# Altium PCB PCB2.PcbDoc (part 15 of 16)
Units mil, origin at the board's own origin, x right, y up, seen from the top; angles counter-clockwise.
Board outline 9200.79 x 4350.6 mil, 4 copper layers (Top Layer, Layer 1, Layer 2, Bottom Layer), stack 23.756 mil thick; 1249 components, 1355 nets, 4549 pads, 1316 vias.
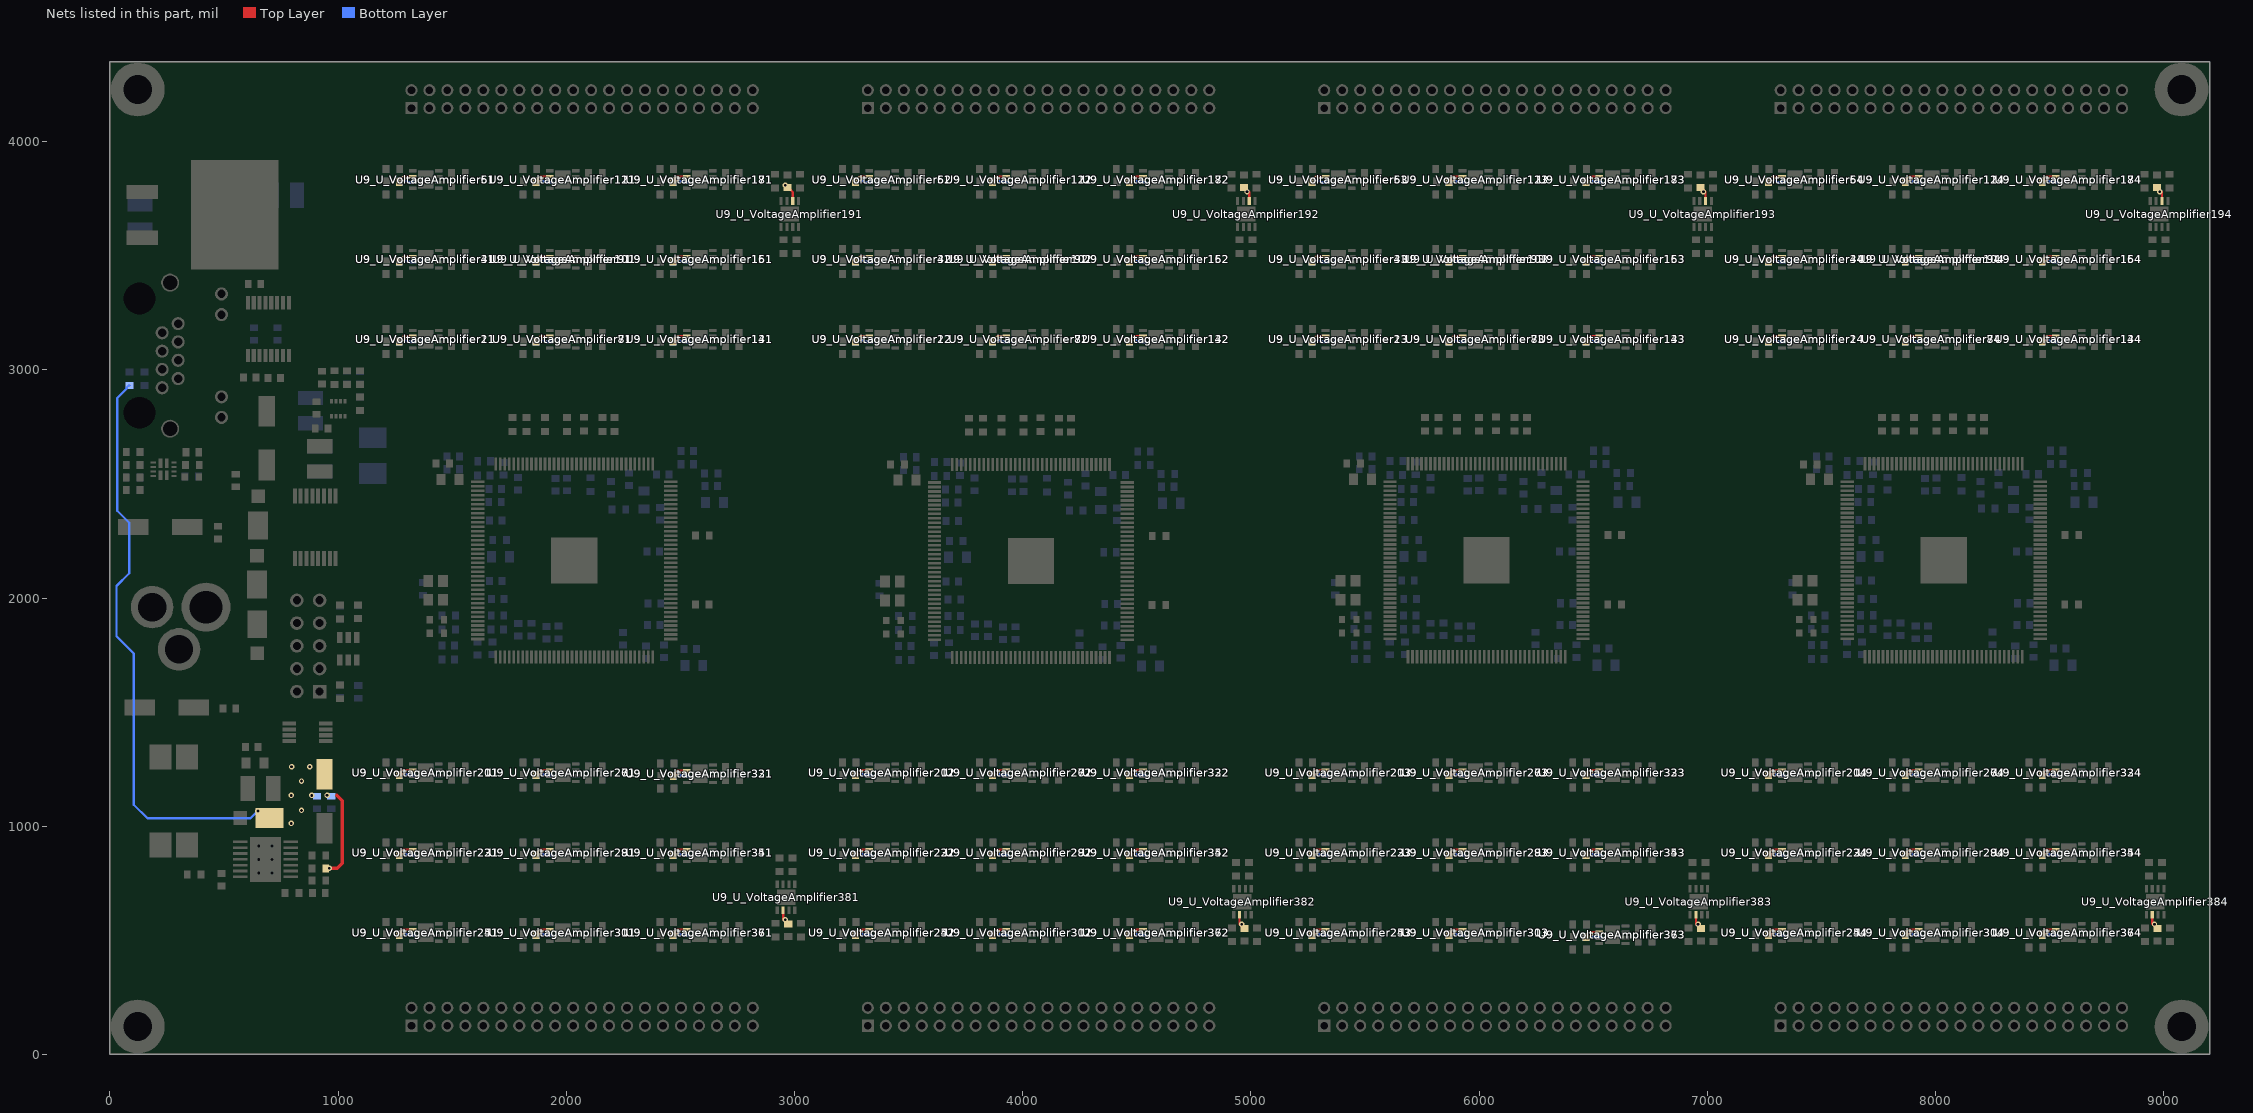
[diagram p17: the nets of this part, all layers, seen from the top]

## Via types
v1: diameter 24, hole 12, Top Layer to Bottom Layer, 1316 vias

## Nets (pads, with @x,y where several pads share a name; then routed paths per layer and width w, separated by ;. In a path a pad name is that pad's centre, name@x,y a point inside that pad or via, vN(x,y) a via of type N, cw(c..) or ccw(c..) an arc to the next point about the centre after c; other vN are vias at no path point) (continued)
VCC_OUT: C31.2 C32.2 C33.1 C34_U_VoltageAmplifier11.1 C34_U_VoltageAmplifier12.1 C34_U_VoltageAmplifier13.1 C34_U_VoltageAmplifier14.1 C34_U_VoltageAmplifier21.1 C34_U_VoltageAmplifier22.1 C34_U_VoltageAmplifier23.1 C34_U_VoltageAmplifier24.1 C34_U_VoltageAmplifier31.1 C34_U_VoltageAmplifier32.1 C34_U_VoltageAmplifier33.1 C34_U_VoltageAmplifier34.1 C34_U_VoltageAmplifier41.1 C34_U_VoltageAmplifier42.1 C34_U_VoltageAmplifier43.1 C34_U_VoltageAmplifier44.1 C34_U_VoltageAmplifier51.1 C34_U_VoltageAmplifier52.1 C34_U_VoltageAmplifier53.1 C34_U_VoltageAmplifier54.1 C34_U_VoltageAmplifier61.1 C34_U_VoltageAmplifier62.1 C34_U_VoltageAmplifier63.1 C34_U_VoltageAmplifier64.1 C34_U_VoltageAmplifier71.1 C34_U_VoltageAmplifier72.1 C34_U_VoltageAmplifier73.1 C34_U_VoltageAmplifier74.1 C34_U_VoltageAmplifier81.1 C34_U_VoltageAmplifier82.1 C34_U_VoltageAmplifier83.1 C34_U_VoltageAmplifier84.1 C34_U_VoltageAmplifier91.1 C34_U_VoltageAmplifier92.1 C34_U_VoltageAmplifier93.1 C34_U_VoltageAmplifier94.1 C34_U_VoltageAmplifier101.1 C34_U_VoltageAmplifier102.1 C34_U_VoltageAmplifier103.1 C34_U_VoltageAmplifier104.1 C34_U_VoltageAmplifier111.1 C34_U_VoltageAmplifier112.1 C34_U_VoltageAmplifier113.1 C34_U_VoltageAmplifier114.1 C34_U_VoltageAmplifier121.1 C34_U_VoltageAmplifier122.1 C34_U_VoltageAmplifier123.1 C34_U_VoltageAmplifier124.1 C34_U_VoltageAmplifier131.1 C34_U_VoltageAmplifier132.1 C34_U_VoltageAmplifier133.1 C34_U_VoltageAmplifier134.1 C34_U_VoltageAmplifier141.1 C34_U_VoltageAmplifier142.1 C34_U_VoltageAmplifier143.1 C34_U_VoltageAmplifier144.1 C34_U_VoltageAmplifier151.1 C34_U_VoltageAmplifier152.1 C34_U_VoltageAmplifier153.1 C34_U_VoltageAmplifier154.1 C34_U_VoltageAmplifier161.1 C34_U_VoltageAmplifier162.1 C34_U_VoltageAmplifier163.1 C34_U_VoltageAmplifier164.1 C34_U_VoltageAmplifier171.1 C34_U_VoltageAmplifier172.1 C34_U_VoltageAmplifier173.1 C34_U_VoltageAmplifier174.1 C34_U_VoltageAmplifier181.1 C34_U_VoltageAmplifier182.1 C34_U_VoltageAmplifier183.1 C34_U_VoltageAmplifier184.1 C34_U_VoltageAmplifier191.1 C34_U_VoltageAmplifier192.1 C34_U_VoltageAmplifier193.1 C34_U_VoltageAmplifier194.1 C34_U_VoltageAmplifier201.1 C34_U_VoltageAmplifier202.1 C34_U_VoltageAmplifier203.1 C34_U_VoltageAmplifier204.1 C34_U_VoltageAmplifier211.1 C34_U_VoltageAmplifier212.1 C34_U_VoltageAmplifier213.1 C34_U_VoltageAmplifier214.1 C34_U_VoltageAmplifier221.1 C34_U_VoltageAmplifier222.1 C34_U_VoltageAmplifier223.1 C34_U_VoltageAmplifier224.1 C34_U_VoltageAmplifier231.1 C34_U_VoltageAmplifier232.1 C34_U_VoltageAmplifier233.1 C34_U_VoltageAmplifier234.1 C34_U_VoltageAmplifier241.1 C34_U_VoltageAmplifier242.1 C34_U_VoltageAmplifier243.1 C34_U_VoltageAmplifier244.1 C34_U_VoltageAmplifier251.1 C34_U_VoltageAmplifier252.1 C34_U_VoltageAmplifier253.1 C34_U_VoltageAmplifier254.1 C34_U_VoltageAmplifier261.1 C34_U_VoltageAmplifier262.1 C34_U_VoltageAmplifier263.1 C34_U_VoltageAmplifier264.1 C34_U_VoltageAmplifier271.1 C34_U_VoltageAmplifier272.1 C34_U_VoltageAmplifier273.1 C34_U_VoltageAmplifier274.1 C34_U_VoltageAmplifier281.1 C34_U_VoltageAmplifier282.1 C34_U_VoltageAmplifier283.1 C34_U_VoltageAmplifier284.1 C34_U_VoltageAmplifier291.1 C34_U_VoltageAmplifier292.1 C34_U_VoltageAmplifier293.1 C34_U_VoltageAmplifier294.1 C34_U_VoltageAmplifier301.1 C34_U_VoltageAmplifier302.1 C34_U_VoltageAmplifier303.1 C34_U_VoltageAmplifier304.1 C34_U_VoltageAmplifier311.1 C34_U_VoltageAmplifier312.1 C34_U_VoltageAmplifier313.1 C34_U_VoltageAmplifier314.1 C34_U_VoltageAmplifier321.1 C34_U_VoltageAmplifier322.1 C34_U_VoltageAmplifier323.1 C34_U_VoltageAmplifier324.1 C34_U_VoltageAmplifier331.1 C34_U_VoltageAmplifier332.1 C34_U_VoltageAmplifier333.1 C34_U_VoltageAmplifier334.1 C34_U_VoltageAmplifier341.1 C34_U_VoltageAmplifier342.1 C34_U_VoltageAmplifier343.1 C34_U_VoltageAmplifier344.1 C34_U_VoltageAmplifier351.1 C34_U_VoltageAmplifier352.1 C34_U_VoltageAmplifier353.1 C34_U_VoltageAmplifier354.1 C34_U_VoltageAmplifier361.1 C34_U_VoltageAmplifier362.1 C34_U_VoltageAmplifier363.1 C34_U_VoltageAmplifier364.1 C34_U_VoltageAmplifier371.1 C34_U_VoltageAmplifier372.1 C34_U_VoltageAmplifier373.1 C34_U_VoltageAmplifier374.1 C34_U_VoltageAmplifier381.1 C34_U_VoltageAmplifier382.1 C34_U_VoltageAmplifier383.1 C34_U_VoltageAmplifier384.1 D7.1 R45.1 R46.1 U9_U_VoltageAmplifier11.6 U9_U_VoltageAmplifier12.6 U9_U_VoltageAmplifier13.6 U9_U_VoltageAmplifier14.6 U9_U_VoltageAmplifier21.6 U9_U_VoltageAmplifier22.6 U9_U_VoltageAmplifier23.6 U9_U_VoltageAmplifier24.6 U9_U_VoltageAmplifier31.6 U9_U_VoltageAmplifier32.6 U9_U_VoltageAmplifier33.6 U9_U_VoltageAmplifier34.6 U9_U_VoltageAmplifier41.6 U9_U_VoltageAmplifier42.6 U9_U_VoltageAmplifier43.6 U9_U_VoltageAmplifier44.6 U9_U_VoltageAmplifier51.6 U9_U_VoltageAmplifier52.6 U9_U_VoltageAmplifier53.6 U9_U_VoltageAmplifier54.6 U9_U_VoltageAmplifier61.6 U9_U_VoltageAmplifier62.6 U9_U_VoltageAmplifier63.6 U9_U_VoltageAmplifier64.6 U9_U_VoltageAmplifier71.6 U9_U_VoltageAmplifier72.6 U9_U_VoltageAmplifier73.6 U9_U_VoltageAmplifier74.6 U9_U_VoltageAmplifier81.6 U9_U_VoltageAmplifier82.6 U9_U_VoltageAmplifier83.6 U9_U_VoltageAmplifier84.6 U9_U_VoltageAmplifier91.6 U9_U_VoltageAmplifier92.6 U9_U_VoltageAmplifier93.6 U9_U_VoltageAmplifier94.6 U9_U_VoltageAmplifier101.6 U9_U_VoltageAmplifier102.6 U9_U_VoltageAmplifier103.6 U9_U_VoltageAmplifier104.6 U9_U_VoltageAmplifier111.6 U9_U_VoltageAmplifier112.6 U9_U_VoltageAmplifier113.6 U9_U_VoltageAmplifier114.6 U9_U_VoltageAmplifier121.6 U9_U_VoltageAmplifier122.6 U9_U_VoltageAmplifier123.6 U9_U_VoltageAmplifier124.6 U9_U_VoltageAmplifier131.6 U9_U_VoltageAmplifier132.6 U9_U_VoltageAmplifier133.6 U9_U_VoltageAmplifier134.6 U9_U_VoltageAmplifier141.6 U9_U_VoltageAmplifier142.6 U9_U_VoltageAmplifier143.6 U9_U_VoltageAmplifier144.6 U9_U_VoltageAmplifier151.6 U9_U_VoltageAmplifier152.6 U9_U_VoltageAmplifier153.6 U9_U_VoltageAmplifier154.6 U9_U_VoltageAmplifier161.6 U9_U_VoltageAmplifier162.6 U9_U_VoltageAmplifier163.6 U9_U_VoltageAmplifier164.6 U9_U_VoltageAmplifier171.6 U9_U_VoltageAmplifier172.6 U9_U_VoltageAmplifier173.6 U9_U_VoltageAmplifier174.6 U9_U_VoltageAmplifier181.6 U9_U_VoltageAmplifier182.6 U9_U_VoltageAmplifier183.6 U9_U_VoltageAmplifier184.6 U9_U_VoltageAmplifier191.6 U9_U_VoltageAmplifier192.6 U9_U_VoltageAmplifier193.6 U9_U_VoltageAmplifier194.6 U9_U_VoltageAmplifier201.6 U9_U_VoltageAmplifier202.6 U9_U_VoltageAmplifier203.6 U9_U_VoltageAmplifier204.6 U9_U_VoltageAmplifier211.6 U9_U_VoltageAmplifier212.6 U9_U_VoltageAmplifier213.6 U9_U_VoltageAmplifier214.6 U9_U_VoltageAmplifier221.6 U9_U_VoltageAmplifier222.6 U9_U_VoltageAmplifier223.6 U9_U_VoltageAmplifier224.6 U9_U_VoltageAmplifier231.6 U9_U_VoltageAmplifier232.6 U9_U_VoltageAmplifier233.6 U9_U_VoltageAmplifier234.6 U9_U_VoltageAmplifier241.6 U9_U_VoltageAmplifier242.6 U9_U_VoltageAmplifier243.6 U9_U_VoltageAmplifier244.6 U9_U_VoltageAmplifier251.6 U9_U_VoltageAmplifier252.6 U9_U_VoltageAmplifier253.6 U9_U_VoltageAmplifier254.6 U9_U_VoltageAmplifier261.6 U9_U_VoltageAmplifier262.6 U9_U_VoltageAmplifier263.6 U9_U_VoltageAmplifier264.6 U9_U_VoltageAmplifier271.6 U9_U_VoltageAmplifier272.6 U9_U_VoltageAmplifier273.6 U9_U_VoltageAmplifier274.6 U9_U_VoltageAmplifier281.6 U9_U_VoltageAmplifier282.6 U9_U_VoltageAmplifier283.6 U9_U_VoltageAmplifier284.6 U9_U_VoltageAmplifier291.6 U9_U_VoltageAmplifier292.6 U9_U_VoltageAmplifier293.6 U9_U_VoltageAmplifier294.6 U9_U_VoltageAmplifier301.6 U9_U_VoltageAmplifier302.6 U9_U_VoltageAmplifier303.6 U9_U_VoltageAmplifier304.6 U9_U_VoltageAmplifier311.6 U9_U_VoltageAmplifier312.6 U9_U_VoltageAmplifier313.6 U9_U_VoltageAmplifier314.6 U9_U_VoltageAmplifier321.6 U9_U_VoltageAmplifier322.6 U9_U_VoltageAmplifier323.6 U9_U_VoltageAmplifier324.6 U9_U_VoltageAmplifier331.6 U9_U_VoltageAmplifier332.6 U9_U_VoltageAmplifier333.6 U9_U_VoltageAmplifier334.6 U9_U_VoltageAmplifier341.6 U9_U_VoltageAmplifier342.6 U9_U_VoltageAmplifier343.6 U9_U_VoltageAmplifier344.6 U9_U_VoltageAmplifier351.6 U9_U_VoltageAmplifier352.6 U9_U_VoltageAmplifier353.6 U9_U_VoltageAmplifier354.6 U9_U_VoltageAmplifier361.6 U9_U_VoltageAmplifier362.6 U9_U_VoltageAmplifier363.6 U9_U_VoltageAmplifier364.6 U9_U_VoltageAmplifier371.6 U9_U_VoltageAmplifier372.6 U9_U_VoltageAmplifier373.6 U9_U_VoltageAmplifier374.6 U9_U_VoltageAmplifier381.6 U9_U_VoltageAmplifier382.6 U9_U_VoltageAmplifier383.6 U9_U_VoltageAmplifier384.6 | length 19308.1
  Top Layer w10: C34_U_VoltageAmplifier11.1@1267.65,3124.18 1267.65,3126.9 1287.52,3146.77 U9_U_VoltageAmplifier11.6@1327.09,3146.77 ; U9_U_VoltageAmplifier241.6@1327.09,546.77 v1@1287.52,546.77 ; U9_U_VoltageAmplifier221.6@1327.09,896.77 v1@1287.52,896.77 ; U9_U_VoltageAmplifier201.6@1327.09,1246.77 v1@1287.52,1246.77 ; U9_U_VoltageAmplifier31.6@1327.09,3496.77 v1@1287.52,3496.77 ; U9_U_VoltageAmplifier51.6@1327.09,3846.77 v1@1287.52,3846.77 ; U9_U_VoltageAmplifier301.6@1927.09,546.77 v1@1887.52,546.77 ; U9_U_VoltageAmplifier281.6@1927.09,896.77 v1@1887.52,896.77 ; U9_U_VoltageAmplifier261.6@1927.09,1246.77 v1@1887.52,1246.77 ; U9_U_VoltageAmplifier71.6@1927.09,3146.77 v1@1887.52,3146.77 ; U9_U_VoltageAmplifier91.6@1927.09,3496.77 v1@1887.52,3496.77 ; U9_U_VoltageAmplifier111.6@1927.09,3846.77 v1@1887.52,3846.77 ; U9_U_VoltageAmplifier361.6@2527.09,546.77 v1@2487.52,546.77 ; U9_U_VoltageAmplifier341.6@2527.09,896.77 v1@2487.52,896.77 ; U9_U_VoltageAmplifier131.6@2527.09,3146.77 v1@2487.52,3146.77 ; U9_U_VoltageAmplifier151.6@2527.09,3496.77 v1@2487.52,3496.77 ; U9_U_VoltageAmplifier171.6@2527.09,3846.77 v1@2487.52,3846.77 ; U9_U_VoltageAmplifier321.6@2528.26,1243.18 v1@2488.69,1243.18 ; U9_U_VoltageAmplifier381.6@2950.08,631.42 v1@2950.08,591.85 ; U9_U_VoltageAmplifier191.6@2992.44,3739.76 2992.44,3779.33 ; U9_U_VoltageAmplifier242.6@3327.09,546.77 v1@3287.52,546.77 ; U9_U_VoltageAmplifier222.6@3327.09,896.77 v1@3287.52,896.77 ; U9_U_VoltageAmplifier202.6@3327.09,1246.77 v1@3287.52,1246.77 ; U9_U_VoltageAmplifier12.6@3327.09,3146.77 v1@3287.52,3146.77 ; U9_U_VoltageAmplifier32.6@3327.09,3496.77 v1@3287.52,3496.77 ; U9_U_VoltageAmplifier52.6@3327.09,3846.77 v1@3287.52,3846.77 ; U9_U_VoltageAmplifier302.6@3927.09,546.77 v1@3887.52,546.77 ; U9_U_VoltageAmplifier282.6@3927.09,896.77 v1@3887.52,896.77 ; U9_U_VoltageAmplifier262.6@3927.09,1246.77 v1@3887.52,1246.77 ; U9_U_VoltageAmplifier72.6@3927.09,3146.77 v1@3887.52,3146.77 ; U9_U_VoltageAmplifier92.6@3927.09,3496.77 v1@3887.52,3496.77 ; U9_U_VoltageAmplifier112.6@3927.09,3846.77 v1@3887.52,3846.77 ; U9_U_VoltageAmplifier362.6@4527.09,546.77 v1@4487.52,546.77 ; U9_U_VoltageAmplifier342.6@4527.09,896.77 v1@4487.52,896.77 ; U9_U_VoltageAmplifier322.6@4527.09,1246.77 v1@4487.52,1246.77 ; U9_U_VoltageAmplifier132.6@4527.09,3146.77 v1@4487.52,3146.77 ; U9_U_VoltageAmplifier152.6@4527.09,3496.77 v1@4487.52,3496.77 ; U9_U_VoltageAmplifier172.6@4527.09,3846.77 v1@4487.52,3846.77 ; U9_U_VoltageAmplifier382.6@4950.08,611.42 v1@4950.08,571.85 ; U9_U_VoltageAmplifier192.6@4992.44,3739.76 v1@4992.44,3779.33 ; U9_U_VoltageAmplifier243.6@5327.09,546.77 v1@5287.52,546.77 ; U9_U_VoltageAmplifier223.6@5327.09,896.77 v1@5287.52,896.77 ; U9_U_VoltageAmplifier203.6@5327.09,1246.77 v1@5287.52,1246.77 ; U9_U_VoltageAmplifier13.6@5327.09,3146.77 v1@5287.52,3146.77 ; U9_U_VoltageAmplifier33.6@5327.09,3496.77 v1@5287.52,3496.77 ; U9_U_VoltageAmplifier53.6@5327.09,3846.77 v1@5287.52,3846.77 ; U9_U_VoltageAmplifier303.6@5927.09,546.77 v1@5887.52,546.77 ; U9_U_VoltageAmplifier283.6@5927.09,896.77 v1@5887.52,896.77 ; U9_U_VoltageAmplifier263.6@5927.09,1246.77 v1@5887.52,1246.77 ; U9_U_VoltageAmplifier73.6@5927.09,3146.77 v1@5887.52,3146.77 ; U9_U_VoltageAmplifier93.6@5927.09,3496.77 v1@5887.52,3496.77 ; U9_U_VoltageAmplifier113.6@5927.09,3846.77 v1@5887.52,3846.77 ; U9_U_VoltageAmplifier363.6@6527.09,536.77 v1@6487.52,536.77 ; U9_U_VoltageAmplifier343.6@6527.09,896.77 v1@6487.52,896.77 ; U9_U_VoltageAmplifier323.6@6527.09,1246.77 v1@6487.52,1246.77 ; U9_U_VoltageAmplifier133.6@6527.09,3146.77 v1@6487.52,3146.77 ; U9_U_VoltageAmplifier153.6@6527.09,3496.77 v1@6487.52,3496.77 ; U9_U_VoltageAmplifier173.6@6527.09,3846.77 v1@6487.52,3846.77 ; U9_U_VoltageAmplifier383.6@6950.08,611.42 v1@6950.08,571.85 ; U9_U_VoltageAmplifier193.6@6992.44,3739.76 v1@6992.44,3779.33 ; U9_U_VoltageAmplifier244.6@7327.09,546.77 v1@7287.52,546.77 ; U9_U_VoltageAmplifier224.6@7327.09,896.77 v1@7287.52,896.77 ; U9_U_VoltageAmplifier204.6@7327.09,1246.77 v1@7287.52,1246.77 ; U9_U_VoltageAmplifier14.6@7327.09,3146.77 v1@7287.52,3146.77 ; U9_U_VoltageAmplifier34.6@7327.09,3496.77 v1@7287.52,3496.77 ; U9_U_VoltageAmplifier54.6@7327.09,3846.77 v1@7287.52,3846.77 ; U9_U_VoltageAmplifier304.6@7927.09,546.77 v1@7887.52,546.77 ; U9_U_VoltageAmplifier284.6@7927.09,896.77 v1@7887.52,896.77 ; U9_U_VoltageAmplifier264.6@7927.09,1246.77 v1@7887.52,1246.77 ; U9_U_VoltageAmplifier74.6@7927.09,3146.77 v1@7887.52,3146.77 ; U9_U_VoltageAmplifier94.6@7927.09,3496.77 v1@7887.52,3496.77 ; U9_U_VoltageAmplifier114.6@7927.09,3846.77 v1@7887.52,3846.77 ; U9_U_VoltageAmplifier364.6@8527.09,546.77 v1@8487.52,546.77 ; U9_U_VoltageAmplifier344.6@8527.09,896.77 v1@8487.52,896.77 ; U9_U_VoltageAmplifier324.6@8527.09,1246.77 v1@8487.52,1246.77 ; U9_U_VoltageAmplifier134.6@8527.09,3146.77 v1@8487.52,3146.77 ; U9_U_VoltageAmplifier154.6@8527.09,3496.77 v1@8487.52,3496.77 ; U9_U_VoltageAmplifier174.6@8527.09,3846.77 v1@8487.52,3846.77 ; U9_U_VoltageAmplifier384.6@8950.08,611.42 v1@8950.08,571.85 ; U9_U_VoltageAmplifier194.6@8992.44,3739.76 v1@8992.44,3779.33 ; C34_U_VoltageAmplifier241.1@1267.65,524.18 C34_U_VoltageAmplifier241.1@1267.65,526.9 ; C34_U_VoltageAmplifier241.1@1267.65,524.18 C34_U_VoltageAmplifier241.1@1267.65,526.9 ; C34_U_VoltageAmplifier241.1@1267.65,524.18 C34_U_VoltageAmplifier241.1@1267.65,526.9 ; C34_U_VoltageAmplifier241.1@1267.65,526.9 v1@1287.52,546.77 ; C34_U_VoltageAmplifier241.1@1267.65,526.9 v1@1287.52,546.77 ; C34_U_VoltageAmplifier241.1@1267.65,526.9 v1@1287.52,546.77 ; C34_U_VoltageAmplifier221.1@1267.65,874.18 C34_U_VoltageAmplifier221.1@1267.65,876.9 ; C34_U_VoltageAmplifier221.1@1267.65,874.18 C34_U_VoltageAmplifier221.1@1267.65,876.9 ; C34_U_VoltageAmplifier221.1@1267.65,874.18 C34_U_VoltageAmplifier221.1@1267.65,876.9 ; C34_U_VoltageAmplifier221.1@1267.65,876.9 v1@1287.52,896.77 ; C34_U_VoltageAmplifier221.1@1267.65,876.9 v1@1287.52,896.77 ; C34_U_VoltageAmplifier221.1@1267.65,876.9 v1@1287.52,896.77 ; C34_U_VoltageAmplifier201.1@1267.65,1224.18 C34_U_VoltageAmplifier201.1@1267.65,1226.9 ; C34_U_VoltageAmplifier201.1@1267.65,1224.18 C34_U_VoltageAmplifier201.1@1267.65,1226.9 ; C34_U_VoltageAmplifier201.1@1267.65,1224.18 C34_U_VoltageAmplifier201.1@1267.65,1226.9 ; C34_U_VoltageAmplifier201.1@1267.65,1226.9 v1@1287.52,1246.77 ; C34_U_VoltageAmplifier201.1@1267.65,1226.9 v1@1287.52,1246.77 ; C34_U_VoltageAmplifier201.1@1267.65,1226.9 v1@1287.52,1246.77 ; C34_U_VoltageAmplifier31.1@1267.65,3476.9 C34_U_VoltageAmplifier31.1@1267.65,3474.18 C34_U_VoltageAmplifier31.1@1267.65,3476.9 ; C34_U_VoltageAmplifier31.1@1267.65,3476.9 v1@1287.52,3496.77 ; C34_U_VoltageAmplifier31.1@1267.65,3476.9 v1@1287.52,3496.77 ; C34_U_VoltageAmplifier51.1@1267.65,3826.9 C34_U_VoltageAmplifier51.1@1267.65,3824.18 C34_U_VoltageAmplifier51.1@1267.65,3826.9 ; C34_U_VoltageAmplifier51.1@1267.65,3826.9 v1@1287.52,3846.77 ; C34_U_VoltageAmplifier51.1@1267.65,3826.9 v1@1287.52,3846.77 ; C34_U_VoltageAmplifier301.1@1867.65,524.18 C34_U_VoltageAmplifier301.1@1867.65,526.9 ; C34_U_VoltageAmplifier301.1@1867.65,524.18 C34_U_VoltageAmplifier301.1@1867.65,526.9 ; C34_U_VoltageAmplifier301.1@1867.65,524.18 C34_U_VoltageAmplifier301.1@1867.65,526.9 ; C34_U_VoltageAmplifier301.1@1867.65,526.9 v1@1887.52,546.77 ; C34_U_VoltageAmplifier301.1@1867.65,526.9 v1@1887.52,546.77 ; C34_U_VoltageAmplifier301.1@1867.65,526.9 v1@1887.52,546.77 ; C34_U_VoltageAmplifier281.1@1867.65,874.18 C34_U_VoltageAmplifier281.1@1867.65,876.9 ; C34_U_VoltageAmplifier281.1@1867.65,874.18 C34_U_VoltageAmplifier281.1@1867.65,876.9 ; C34_U_VoltageAmplifier281.1@1867.65,874.18 C34_U_VoltageAmplifier281.1@1867.65,876.9 ; C34_U_VoltageAmplifier281.1@1867.65,876.9 v1@1887.52,896.77 ; C34_U_VoltageAmplifier281.1@1867.65,876.9 v1@1887.52,896.77 ; C34_U_VoltageAmplifier281.1@1867.65,876.9 v1@1887.52,896.77 ; C34_U_VoltageAmplifier261.1@1867.65,1224.18 C34_U_VoltageAmplifier261.1@1867.65,1226.9 ; C34_U_VoltageAmplifier261.1@1867.65,1224.18 C34_U_VoltageAmplifier261.1@1867.65,1226.9 ; C34_U_VoltageAmplifier261.1@1867.65,1224.18 C34_U_VoltageAmplifier261.1@1867.65,1226.9 ; C34_U_VoltageAmplifier261.1@1867.65,1226.9 v1@1887.52,1246.77 ; C34_U_VoltageAmplifier261.1@1867.65,1226.9 v1@1887.52,1246.77 ; C34_U_VoltageAmplifier261.1@1867.65,1226.9 v1@1887.52,1246.77 ; C34_U_VoltageAmplifier71.1@1867.65,3126.9 C34_U_VoltageAmplifier71.1@1867.65,3124.18 C34_U_VoltageAmplifier71.1@1867.65,3126.9 ; C34_U_VoltageAmplifier71.1@1867.65,3126.9 v1@1887.52,3146.77 ; C34_U_VoltageAmplifier71.1@1867.65,3126.9 v1@1887.52,3146.77 ; C34_U_VoltageAmplifier91.1@1867.65,3476.9 C34_U_VoltageAmplifier91.1@1867.65,3474.18 C34_U_VoltageAmplifier91.1@1867.65,3476.9 ; C34_U_VoltageAmplifier91.1@1867.65,3476.9 1882.01,3491.26 v1@1887.52,3496.77 ; C34_U_VoltageAmplifier91.1@1867.65,3476.9 v1@1887.52,3496.77 ; C34_U_VoltageAmplifier111.1@1867.65,3826.9 v1@1887.52,3846.77 ; C34_U_VoltageAmplifier111.1@1867.65,3826.9 v1@1887.52,3846.77 ; C34_U_VoltageAmplifier111.1@1867.65,3826.9 C34_U_VoltageAmplifier111.1@1867.65,3824.18 C34_U_VoltageAmplifier111.1@1867.65,3826.9 ; C34_U_VoltageAmplifier361.1@2467.65,524.18 C34_U_VoltageAmplifier361.1@2467.65,526.9 ; C34_U_VoltageAmplifier361.1@2467.65,524.18 C34_U_VoltageAmplifier361.1@2467.65,526.9 ; C34_U_VoltageAmplifier361.1@2467.65,524.18 C34_U_VoltageAmplifier361.1@2467.65,526.9 ; C34_U_VoltageAmplifier361.1@2467.65,526.9 v1@2487.52,546.77 ; C34_U_VoltageAmplifier361.1@2467.65,526.9 v1@2487.52,546.77 ; C34_U_VoltageAmplifier361.1@2467.65,526.9 v1@2487.52,546.77 ; C34_U_VoltageAmplifier341.1@2467.65,874.18 C34_U_VoltageAmplifier341.1@2467.65,876.9 ; C34_U_VoltageAmplifier341.1@2467.65,874.18 C34_U_VoltageAmplifier341.1@2467.65,876.9 ; C34_U_VoltageAmplifier341.1@2467.65,874.18 C34_U_VoltageAmplifier341.1@2467.65,876.9 ; C34_U_VoltageAmplifier341.1@2467.65,876.9 v1@2487.52,896.77 ; C34_U_VoltageAmplifier341.1@2467.65,876.9 v1@2487.52,896.77 ; C34_U_VoltageAmplifier341.1@2467.65,876.9 v1@2487.52,896.77 ; C34_U_VoltageAmplifier131.1@2467.65,3126.9 C34_U_VoltageAmplifier131.1@2467.65,3124.18 C34_U_VoltageAmplifier131.1@2467.65,3126.9 ; C34_U_VoltageAmplifier131.1@2467.65,3126.9 v1@2487.52,3146.77 ; C34_U_VoltageAmplifier131.1@2467.65,3126.9 v1@2487.52,3146.77 ; C34_U_VoltageAmplifier151.1@2467.65,3476.9 C34_U_VoltageAmplifier151.1@2467.65,3474.18 C34_U_VoltageAmplifier151.1@2467.65,3476.9 ; C34_U_VoltageAmplifier151.1@2467.65,3476.9 v1@2487.52,3496.77 ; C34_U_VoltageAmplifier151.1@2467.65,3476.9 v1@2487.52,3496.77 ; C34_U_VoltageAmplifier171.1@2467.65,3826.9 C34_U_VoltageAmplifier171.1@2467.65,3824.18 C34_U_VoltageAmplifier171.1@2467.65,3826.9 ; C34_U_VoltageAmplifier171.1@2467.65,3826.9 v1@2487.52,3846.77 ; C34_U_VoltageAmplifier171.1@2467.65,3826.9 v1@2487.52,3846.77 ; C34_U_VoltageAmplifier321.1@2468.82,1220.59 C34_U_VoltageAmplifier321.1@2468.82,1223.31 ; C34_U_VoltageAmplifier321.1@2468.82,1220.59 C34_U_VoltageAmplifier321.1@2468.82,1223.31 ; C34_U_VoltageAmplifier321.1@2468.82,1220.59 C34_U_VoltageAmplifier321.1@2468.82,1223.31 ; C34_U_VoltageAmplifier321.1@2468.82,1223.31 v1@2488.69,1243.18 ; C34_U_VoltageAmplifier321.1@2468.82,1223.31 v1@2488.69,1243.18 ; C34_U_VoltageAmplifier321.1@2468.82,1223.31 v1@2488.69,1243.18 ; v1@2950.08,591.85 C34_U_VoltageAmplifier381.1@2969.95,571.98 ; v1@2950.08,591.85 C34_U_VoltageAmplifier381.1@2969.95,571.98 ; C34_U_VoltageAmplifier381.1@2969.95,571.98 C34_U_VoltageAmplifier381.1@2972.67,571.98 C34_U_VoltageAmplifier381.1@2969.95,571.98 ; C34_U_VoltageAmplifier191.1@2972.57,3799.2 C34_U_VoltageAmplifier191.1@2969.85,3799.2 C34_U_VoltageAmplifier191.1@2972.57,3799.2 ; C34_U_VoltageAmplifier191.1@2972.57,3799.2 2992.44,3779.33 ; C34_U_VoltageAmplifier191.1@2972.57,3799.2 2992.44,3779.33 ; C34_U_VoltageAmplifier242.1@3267.65,524.18 C34_U_VoltageAmplifier242.1@3267.65,526.9 ; C34_U_VoltageAmplifier242.1@3267.65,524.18 C34_U_VoltageAmplifier242.1@3267.65,526.9 ; C34_U_VoltageAmplifier242.1@3267.65,524.18 C34_U_VoltageAmplifier242.1@3267.65,526.9 ; C34_U_VoltageAmplifier242.1@3267.65,526.9 v1@3287.52,546.77 ; C34_U_VoltageAmplifier242.1@3267.65,526.9 v1@3287.52,546.77 ; C34_U_VoltageAmplifier242.1@3267.65,526.9 v1@3287.52,546.77 ; C34_U_VoltageAmplifier222.1@3267.65,874.18 C34_U_VoltageAmplifier222.1@3267.65,876.9 ; C34_U_VoltageAmplifier222.1@3267.65,874.18 C34_U_VoltageAmplifier222.1@3267.65,876.9 ; C34_U_VoltageAmplifier222.1@3267.65,874.18 C34_U_VoltageAmplifier222.1@3267.65,876.9 ; C34_U_VoltageAmplifier222.1@3267.65,876.9 v1@3287.52,896.77 ; C34_U_VoltageAmplifier222.1@3267.65,876.9 v1@3287.52,896.77 ; C34_U_VoltageAmplifier222.1@3267.65,876.9 v1@3287.52,896.77 ; C34_U_VoltageAmplifier202.1@3267.65,1224.18 C34_U_VoltageAmplifier202.1@3267.65,1226.9 ; C34_U_VoltageAmplifier202.1@3267.65,1224.18 C34_U_VoltageAmplifier202.1@3267.65,1226.9 ; C34_U_VoltageAmplifier202.1@3267.65,1224.18 C34_U_VoltageAmplifier202.1@3267.65,1226.9 ; C34_U_VoltageAmplifier202.1@3267.65,1226.9 v1@3287.52,1246.77 ; C34_U_VoltageAmplifier202.1@3267.65,1226.9 v1@3287.52,1246.77 ; C34_U_VoltageAmplifier202.1@3267.65,1226.9 v1@3287.52,1246.77 ; C34_U_VoltageAmplifier12.1@3267.65,3124.18 C34_U_VoltageAmplifier12.1@3267.65,3126.9 ; C34_U_VoltageAmplifier12.1@3267.65,3124.18 C34_U_VoltageAmplifier12.1@3267.65,3126.9 ; C34_U_VoltageAmplifier12.1@3267.65,3124.18 C34_U_VoltageAmplifier12.1@3267.65,3126.9 ; C34_U_VoltageAmplifier12.1@3267.65,3126.9 v1@3287.52,3146.77 ; C34_U_VoltageAmplifier12.1@3267.65,3126.9 v1@3287.52,3146.77 ; C34_U_VoltageAmplifier12.1@3267.65,3126.9 v1@3287.52,3146.77 ; C34_U_VoltageAmplifier32.1@3267.65,3474.18 C34_U_VoltageAmplifier32.1@3267.65,3476.9 ; C34_U_VoltageAmplifier32.1@3267.65,3474.18 C34_U_VoltageAmplifier32.1@3267.65,3476.9 ; C34_U_VoltageAmplifier32.1@3267.65,3474.18 C34_U_VoltageAmplifier32.1@3267.65,3476.9 ; C34_U_VoltageAmplifier32.1@3267.65,3476.9 v1@3287.52,3496.77 ; C34_U_VoltageAmplifier32.1@3267.65,3476.9 v1@3287.52,3496.77 ; C34_U_VoltageAmplifier32.1@3267.65,3476.9 v1@3287.52,3496.77 ; C34_U_VoltageAmplifier52.1@3267.65,3824.18 C34_U_VoltageAmplifier52.1@3267.65,3826.9 ; C34_U_VoltageAmplifier52.1@3267.65,3824.18 C34_U_VoltageAmplifier52.1@3267.65,3826.9 ; C34_U_VoltageAmplifier52.1@3267.65,3824.18 C34_U_VoltageAmplifier52.1@3267.65,3826.9 ; C34_U_VoltageAmplifier52.1@3267.65,3826.9 v1@3287.52,3846.77 ; C34_U_VoltageAmplifier52.1@3267.65,3826.9 v1@3287.52,3846.77 ; C34_U_VoltageAmplifier52.1@3267.65,3826.9 v1@3287.52,3846.77 ; C34_U_VoltageAmplifier302.1@3867.65,524.18 C34_U_VoltageAmplifier302.1@3867.65,526.9 ; C34_U_VoltageAmplifier302.1@3867.65,524.18 C34_U_VoltageAmplifier302.1@3867.65,526.9 ; C34_U_VoltageAmplifier302.1@3867.65,524.18 C34_U_VoltageAmplifier302.1@3867.65,526.9 ; C34_U_VoltageAmplifier302.1@3867.65,526.9 v1@3887.52,546.77 ; C34_U_VoltageAmplifier302.1@3867.65,526.9 v1@3887.52,546.77 ; C34_U_VoltageAmplifier302.1@3867.65,526.9 v1@3887.52,546.77 ; C34_U_VoltageAmplifier282.1@3867.65,874.18 C34_U_VoltageAmplifier282.1@3867.65,876.9 ; C34_U_VoltageAmplifier282.1@3867.65,874.18 C34_U_VoltageAmplifier282.1@3867.65,876.9 ; C34_U_VoltageAmplifier282.1@3867.65,874.18 C34_U_VoltageAmplifier282.1@3867.65,876.9 ; C34_U_VoltageAmplifier282.1@3867.65,876.9 v1@3887.52,896.77 ; C34_U_VoltageAmplifier282.1@3867.65,876.9 v1@3887.52,896.77 ; C34_U_VoltageAmplifier282.1@3867.65,876.9 v1@3887.52,896.77 ; C34_U_VoltageAmplifier262.1@3867.65,1224.18 C34_U_VoltageAmplifier262.1@3867.65,1226.9 ; C34_U_VoltageAmplifier262.1@3867.65,1224.18 C34_U_VoltageAmplifier262.1@3867.65,1226.9 ; C34_U_VoltageAmplifier262.1@3867.65,1224.18 C34_U_VoltageAmplifier262.1@3867.65,1226.9 ; C34_U_VoltageAmplifier262.1@3867.65,1226.9 v1@3887.52,1246.77 ; C34_U_VoltageAmplifier262.1@3867.65,1226.9 v1@3887.52,1246.77 ; C34_U_VoltageAmplifier262.1@3867.65,1226.9 v1@3887.52,1246.77 ; C34_U_VoltageAmplifier72.1@3867.65,3124.18 C34_U_VoltageAmplifier72.1@3867.65,3126.9 ; C34_U_VoltageAmplifier72.1@3867.65,3124.18 C34_U_VoltageAmplifier72.1@3867.65,3126.9 ; C34_U_VoltageAmplifier72.1@3867.65,3124.18 C34_U_VoltageAmplifier72.1@3867.65,3126.9 ; C34_U_VoltageAmplifier72.1@3867.65,3126.9 v1@3887.52,3146.77 ; C34_U_VoltageAmplifier72.1@3867.65,3126.9 v1@3887.52,3146.77 ; C34_U_VoltageAmplifier72.1@3867.65,3126.9 v1@3887.52,3146.77 ; C34_U_VoltageAmplifier92.1@3867.65,3474.18 C34_U_VoltageAmplifier92.1@3867.65,3476.9 ; C34_U_VoltageAmplifier92.1@3867.65,3474.18 C34_U_VoltageAmplifier92.1@3867.65,3476.9 ; C34_U_VoltageAmplifier92.1@3867.65,3474.18 C34_U_VoltageAmplifier92.1@3867.65,3476.9 ; C34_U_VoltageAmplifier92.1@3867.65,3476.9 v1@3887.52,3496.77 ; C34_U_VoltageAmplifier92.1@3867.65,3476.9 v1@3887.52,3496.77 ; C34_U_VoltageAmplifier92.1@3867.65,3476.9 v1@3887.52,3496.77 ; C34_U_VoltageAmplifier112.1@3867.65,3824.18 C34_U_VoltageAmplifier112.1@3867.65,3826.9 ; C34_U_VoltageAmplifier112.1@3867.65,3824.18 C34_U_VoltageAmplifier112.1@3867.65,3826.9 ; C34_U_VoltageAmplifier112.1@3867.65,3824.18 C34_U_VoltageAmplifier112.1@3867.65,3826.9 ; C34_U_VoltageAmplifier112.1@3867.65,3826.9 v1@3887.52,3846.77 ; C34_U_VoltageAmplifier112.1@3867.65,3826.9 v1@3887.52,3846.77 ; C34_U_VoltageAmplifier112.1@3867.65,3826.9 v1@3887.52,3846.77 ; C34_U_VoltageAmplifier362.1@4467.65,524.18 C34_U_VoltageAmplifier362.1@4467.65,526.9 ; C34_U_VoltageAmplifier362.1@4467.65,524.18 C34_U_VoltageAmplifier362.1@4467.65,526.9 ; C34_U_VoltageAmplifier362.1@4467.65,524.18 C34_U_VoltageAmplifier362.1@4467.65,526.9 ; C34_U_VoltageAmplifier362.1@4467.65,526.9 v1@4487.52,546.77 ; C34_U_VoltageAmplifier362.1@4467.65,526.9 v1@4487.52,546.77 ; C34_U_VoltageAmplifier362.1@4467.65,526.9 v1@4487.52,546.77 ; C34_U_VoltageAmplifier342.1@4467.65,874.18 C34_U_VoltageAmplifier342.1@4467.65,876.9 ; C34_U_VoltageAmplifier342.1@4467.65,874.18 C34_U_VoltageAmplifier342.1@4467.65,876.9 ; C34_U_VoltageAmplifier342.1@4467.65,874.18 C34_U_VoltageAmplifier342.1@4467.65,876.9 ; C34_U_VoltageAmplifier342.1@4467.65,876.9 v1@4487.52,896.77 ; C34_U_VoltageAmplifier342.1@4467.65,876.9 v1@4487.52,896.77 ; C34_U_VoltageAmplifier342.1@4467.65,876.9 v1@4487.52,896.77 ; C34_U_VoltageAmplifier322.1@4467.65,1224.18 C34_U_VoltageAmplifier322.1@4467.65,1226.9 ; C34_U_VoltageAmplifier322.1@4467.65,1224.18 C34_U_VoltageAmplifier322.1@4467.65,1226.9 ; C34_U_VoltageAmplifier322.1@4467.65,1224.18 C34_U_VoltageAmplifier322.1@4467.65,1226.9 ; C34_U_VoltageAmplifier322.1@4467.65,1226.9 v1@4487.52,1246.77 ; C34_U_VoltageAmplifier322.1@4467.65,1226.9 v1@4487.52,1246.77 ; C34_U_VoltageAmplifier322.1@4467.65,1226.9 v1@4487.52,1246.77 ; C34_U_VoltageAmplifier132.1@4467.65,3124.18 C34_U_VoltageAmplifier132.1@4467.65,3126.9 ; C34_U_VoltageAmplifier132.1@4467.65,3124.18 C34_U_VoltageAmplifier132.1@4467.65,3126.9 ; C34_U_VoltageAmplifier132.1@4467.65,3124.18 C34_U_VoltageAmplifier132.1@4467.65,3126.9 ; C34_U_VoltageAmplifier132.1@4467.65,3126.9 v1@4487.52,3146.77 ; C34_U_VoltageAmplifier132.1@4467.65,3126.9 v1@4487.52,3146.77 ; C34_U_VoltageAmplifier132.1@4467.65,3126.9 v1@4487.52,3146.77 ; C34_U_VoltageAmplifier152.1@4467.65,3474.18 C34_U_VoltageAmplifier152.1@4467.65,3476.9 ; C34_U_VoltageAmplifier152.1@4467.65,3474.18 C34_U_VoltageAmplifier152.1@4467.65,3476.9 ; C34_U_VoltageAmplifier152.1@4467.65,3474.18 C34_U_VoltageAmplifier152.1@4467.65,3476.9 ; C34_U_VoltageAmplifier152.1@4467.65,3476.9 v1@4487.52,3496.77 ; C34_U_VoltageAmplifier152.1@4467.65,3476.9 v1@4487.52,3496.77 ; C34_U_VoltageAmplifier152.1@4467.65,3476.9 v1@4487.52,3496.77 ; C34_U_VoltageAmplifier172.1@4467.65,3824.18 C34_U_VoltageAmplifier172.1@4467.65,3826.9 ; C34_U_VoltageAmplifier172.1@4467.65,3824.18 C34_U_VoltageAmplifier172.1@4467.65,3826.9 ; C34_U_VoltageAmplifier172.1@4467.65,3824.18 C34_U_VoltageAmplifier172.1@4467.65,3826.9 ; C34_U_VoltageAmplifier172.1@4467.65,3826.9 v1@4487.52,3846.77 ; C34_U_VoltageAmplifier172.1@4467.65,3826.9 v1@4487.52,3846.77 ; C34_U_VoltageAmplifier172.1@4467.65,3826.9 v1@4487.52,3846.77 ; v1@4950.08,571.85 C34_U_VoltageAmplifier382.1@4969.95,551.98 ; v1@4950.08,571.85 C34_U_VoltageAmplifier382.1@4969.95,551.98 